# Altium PCB DeutschPCB.PcbDoc (part 1 of 2)
Units mil, origin at the board's own origin, x right, y up, seen from the top; angles counter-clockwise.
Board outline 3250 x 3925 mil, 2 copper layers (Top Layer, Bottom Layer), stack 61.8 mil thick; 164 components, 107 nets, 479 pads, 125 vias.
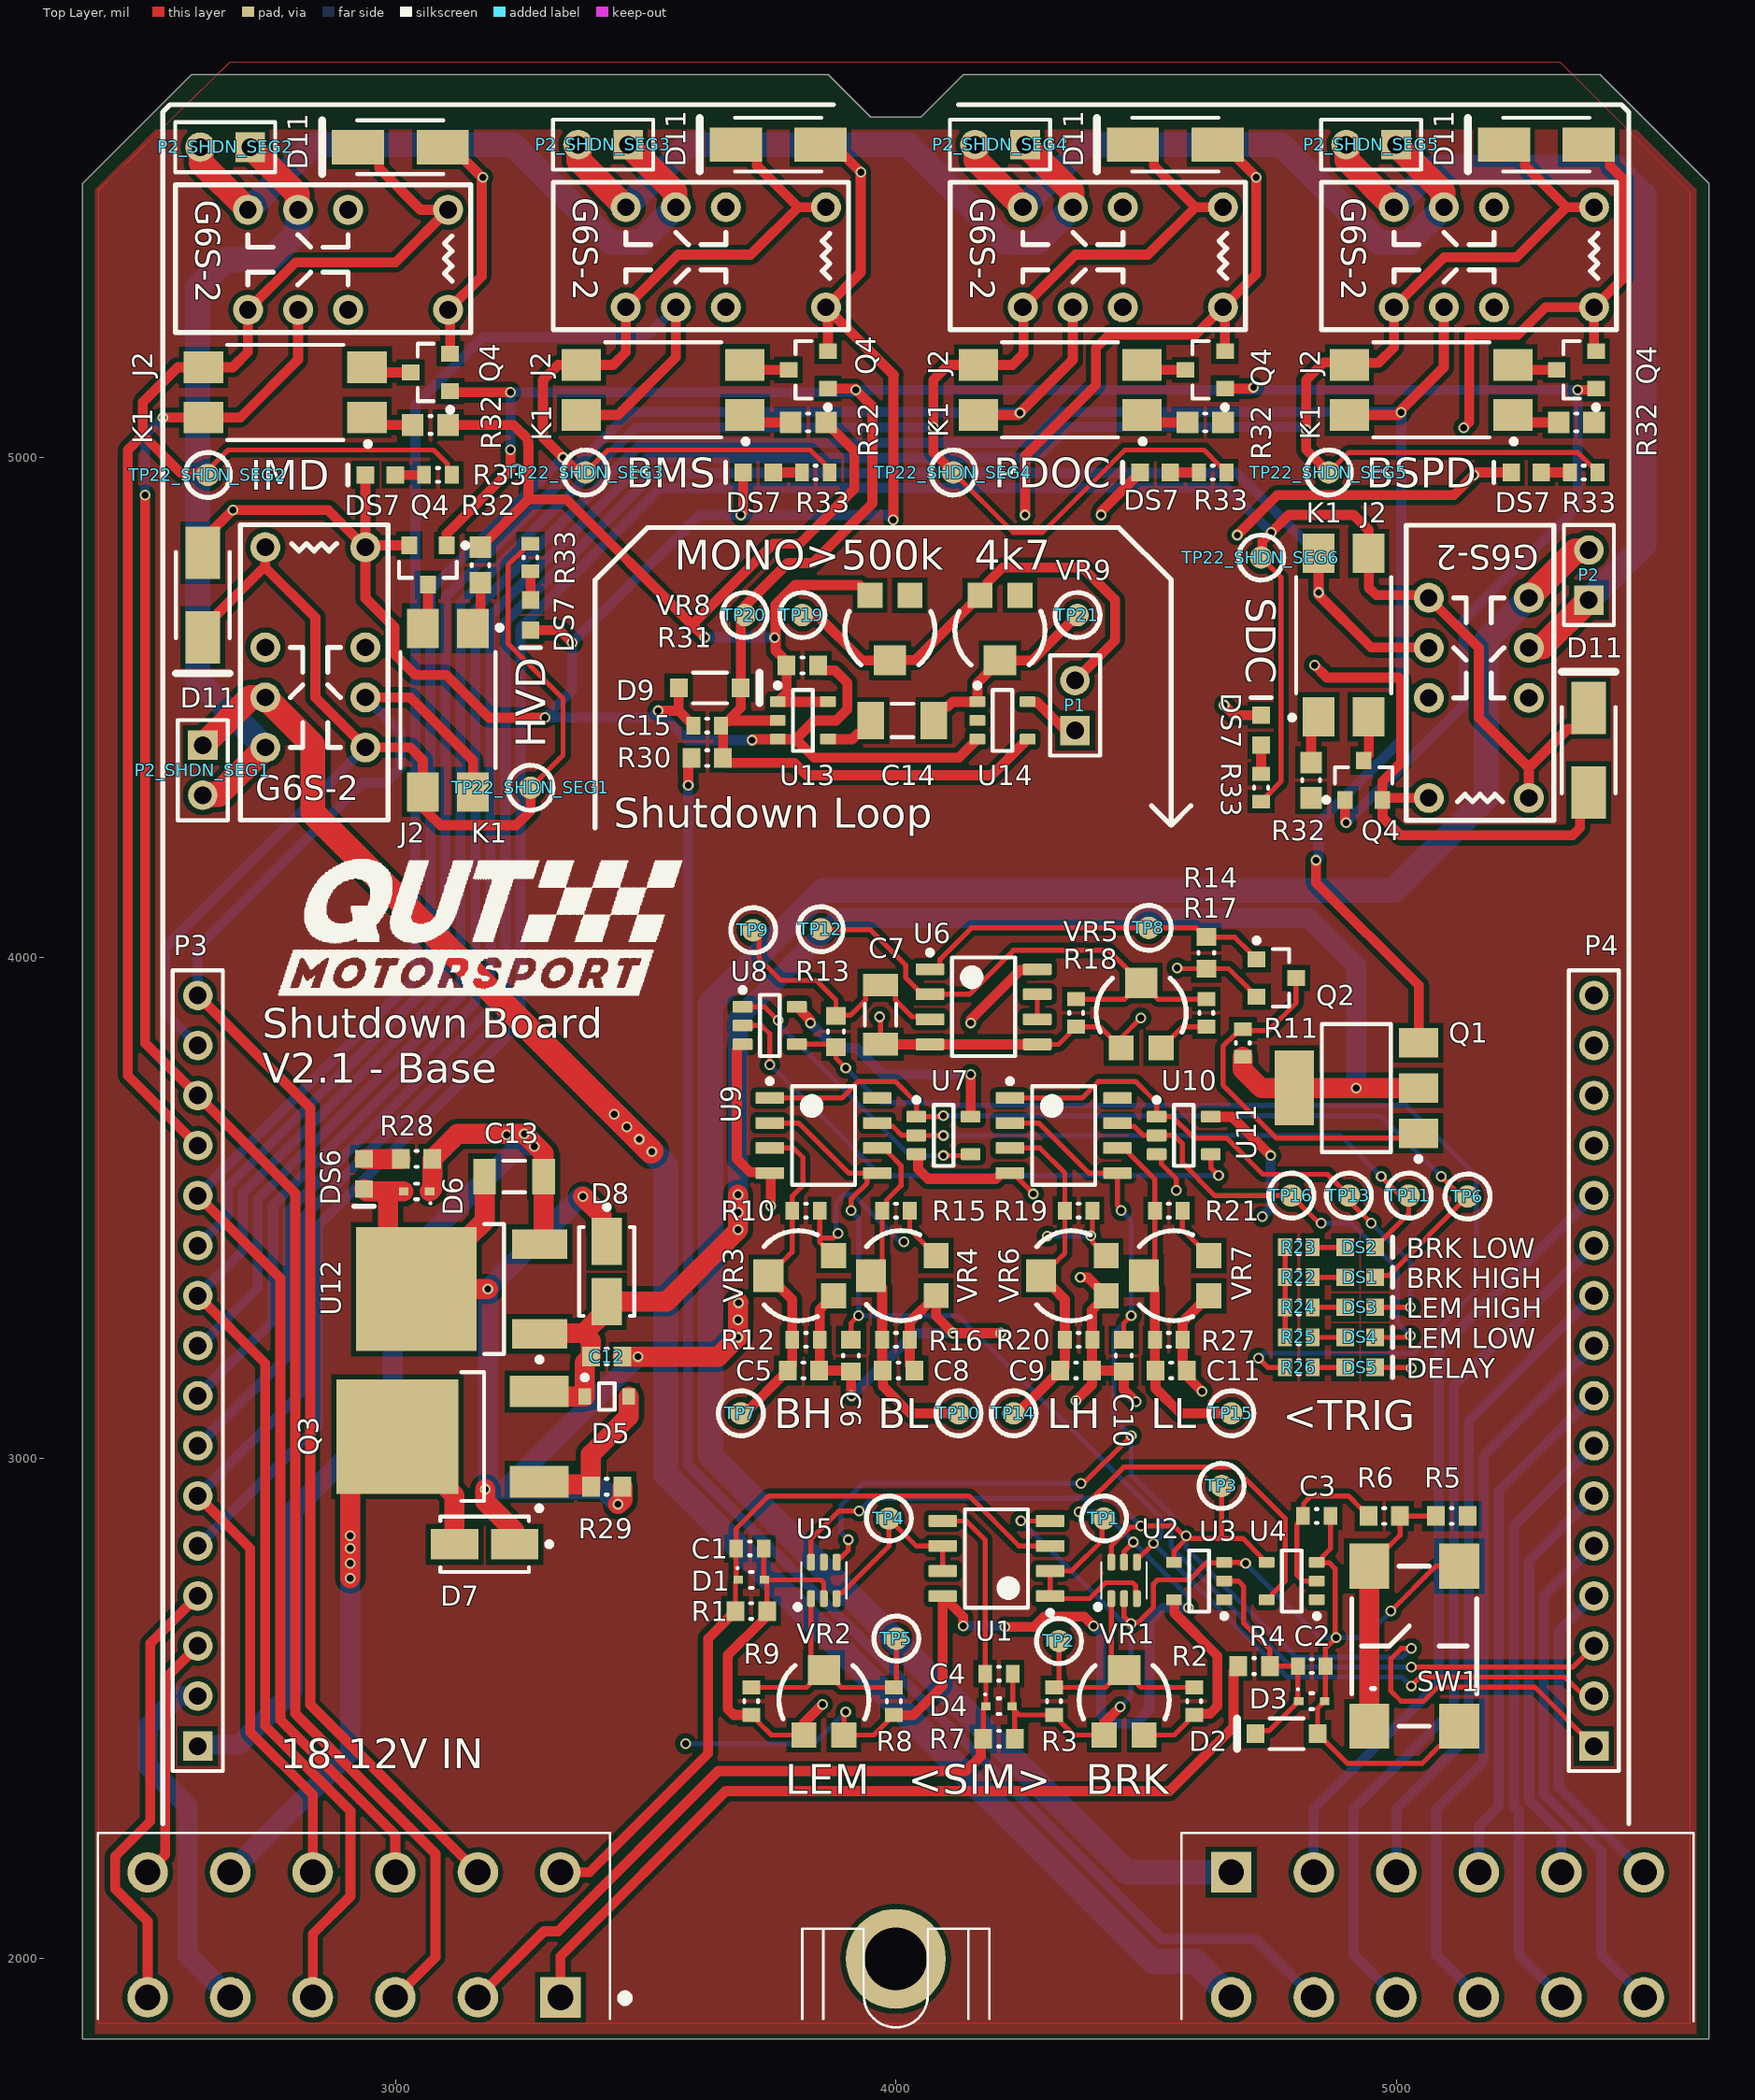
[diagram p0: Top Layer view]
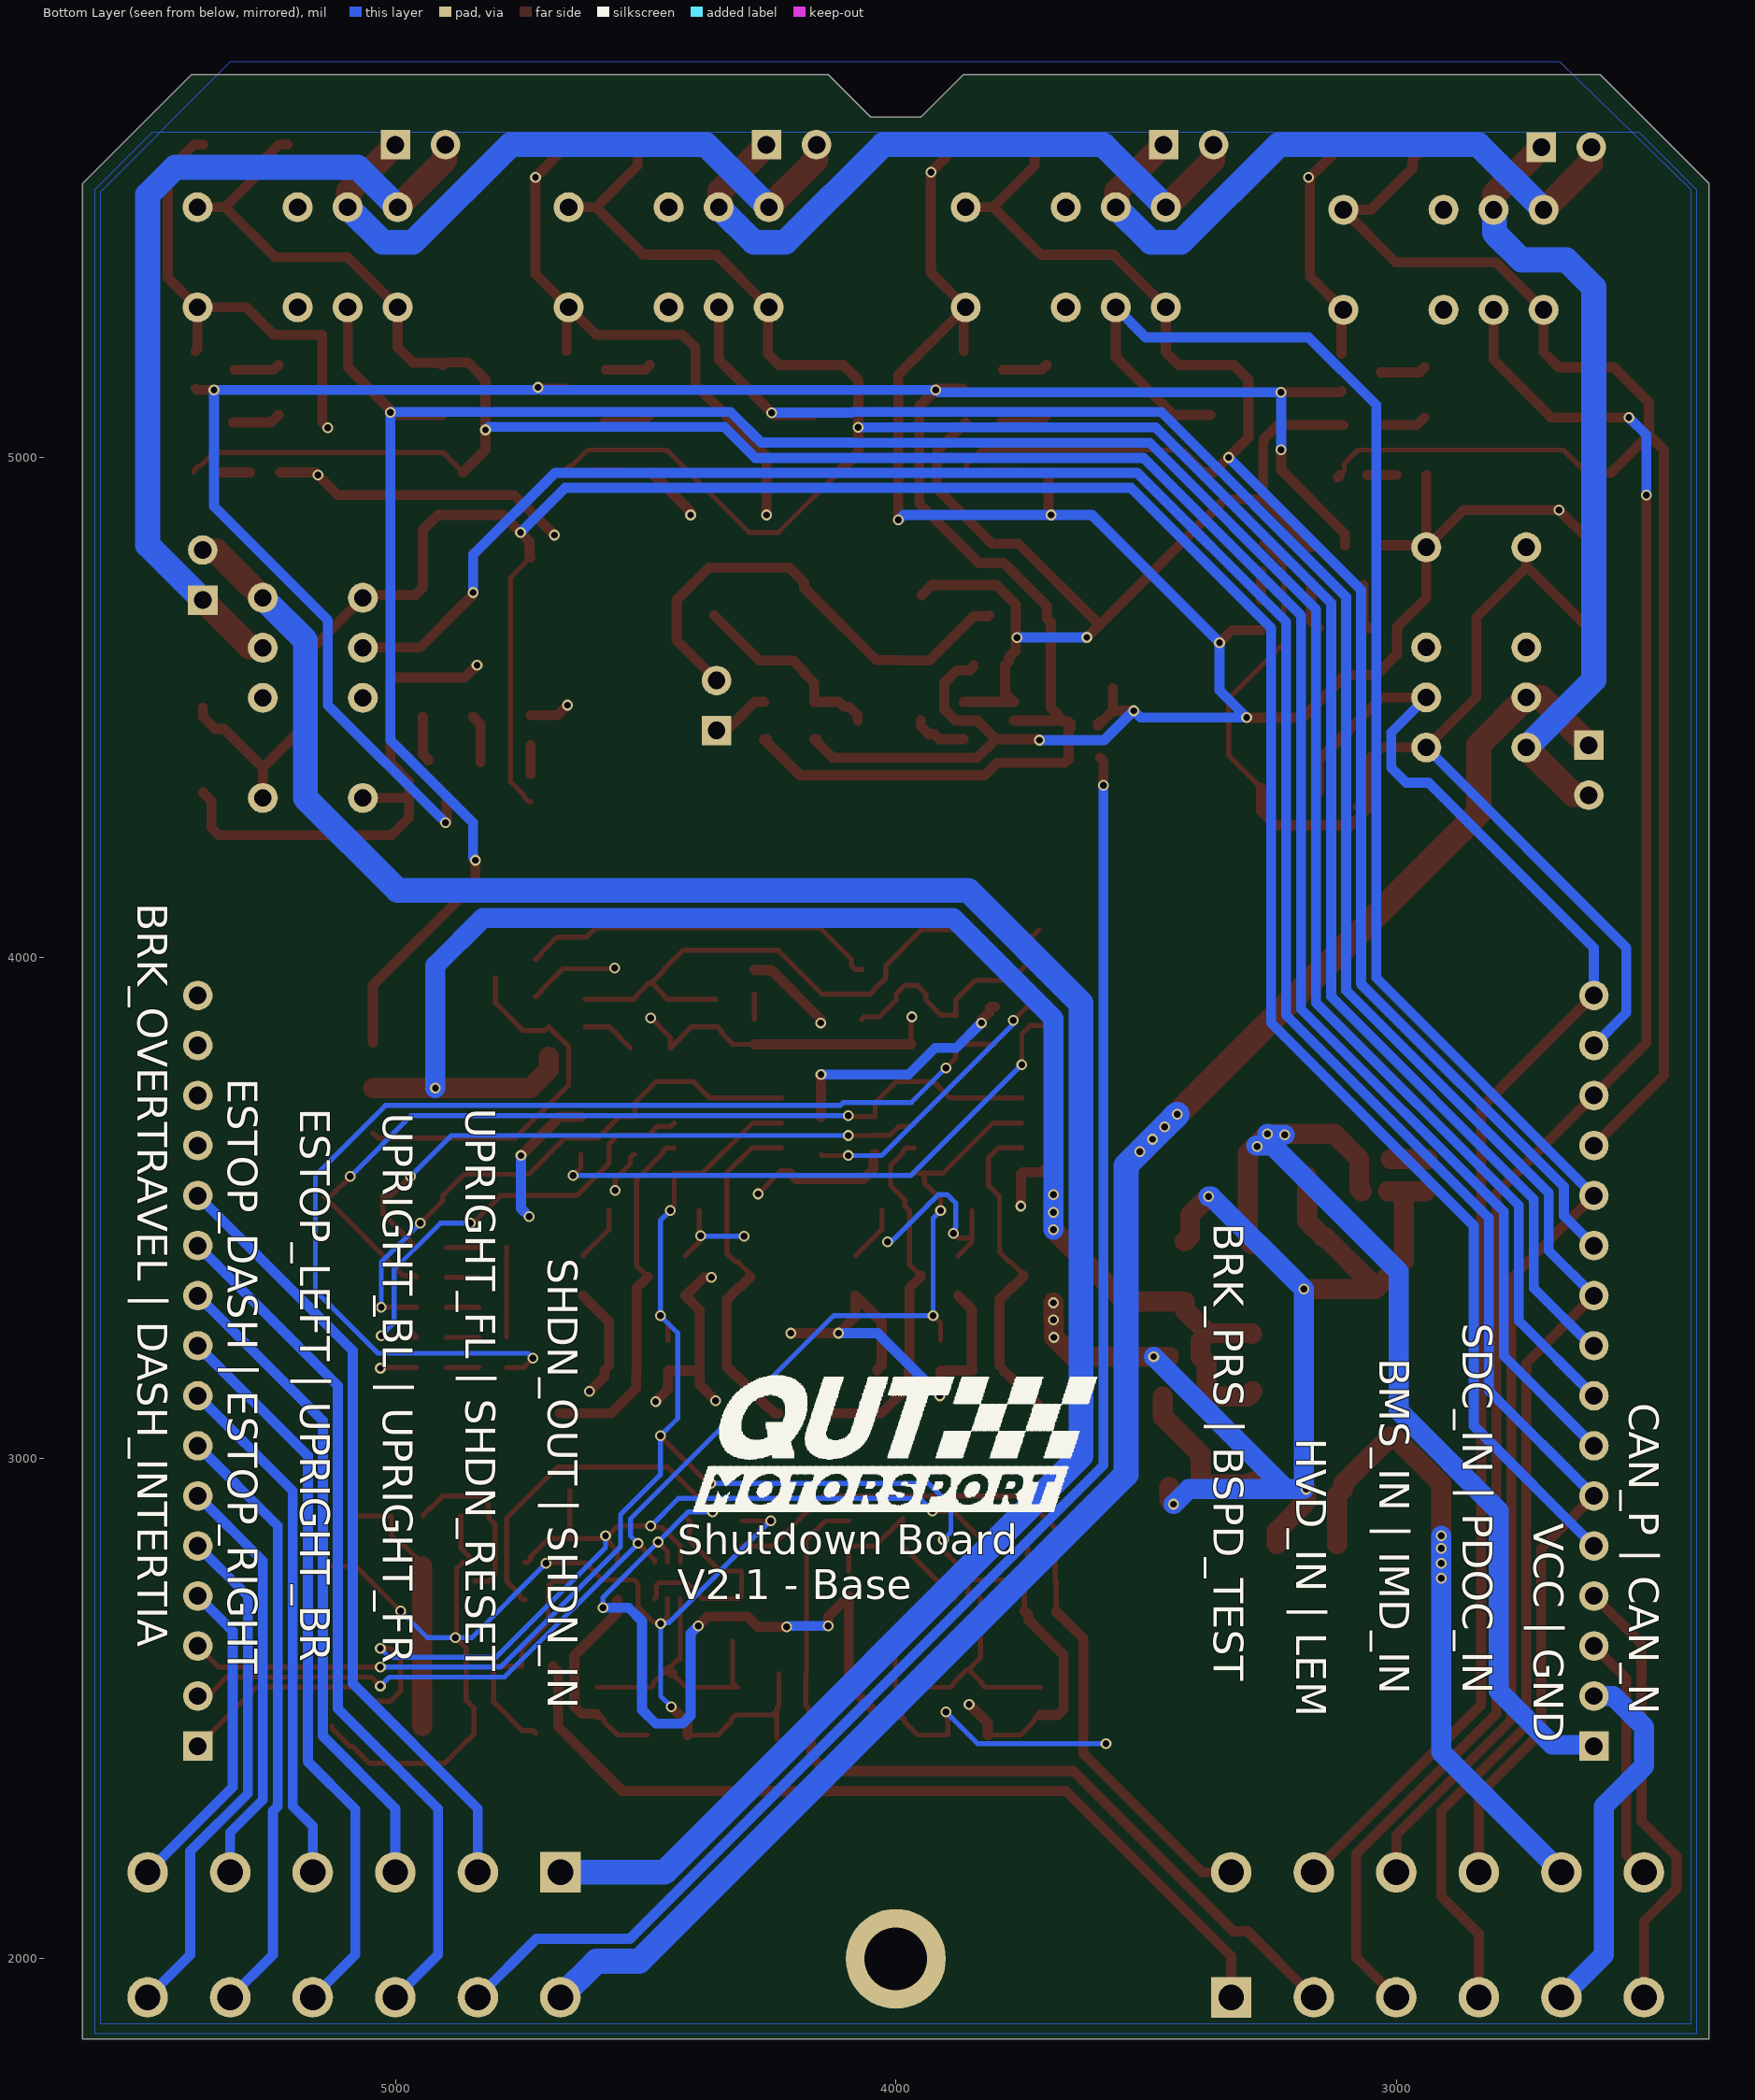
[diagram p1: Bottom Layer view, seen from below]

## Layer stack, top to bottom
Top Solder: solder mask 0.4, Solder Resist, Dk 3.5
Top Layer: signal copper 1.4
Dielectric 1: core 59, Core-043, Dk 4.3
Bottom Layer: signal copper 1.4
Bottom Solder: solder mask 0.4, Solder Resist, Dk 3.5

## Board outline
2375,1840 2375,5547.52 2592.48,5765 3865,5765 3950,5680 4050,5680 4135,5765 5407.52,5765 5625,5547.52 5625,1840

## Design rules (kind name [scope] priority, off if disabled: settings)
Clearance [All] p1: gap=10 ignorepadtopadclearanceinfootprint=FALSE except(0: Arc-Hole Track-Hole SMDPad-Hole THPad-Hole Via-Hole Fill-Hole Poly-Hole Region-Hole Text-Hole; 6: SMDPad-SMDPad)
PolygonConnect [All] p1: connectstyle=Direct reliefconductorwidth=10 reliefentries=4 polygonreliefangle="90 Angle" airgapwidth=10
RoomDefinition BSPD_System [InComponentClass('BSPD_System')] p1: confinementstyle=ConfineIn formatcopy=TRUE lockcomponents=FALSE outline 3625.43,3020 5215,3020 5215,4126.69 3625.43,4126.69
RoomDefinition BSPD_Simulation [InComponentClass('BSPD_Simulation')] p2: confinementstyle=ConfineIn formatcopy=TRUE lockcomponents=FALSE outline 3648.58,2403.54 5178.58,2403.54 5178.58,2998.54 3648.58,2998.54
RoomDefinition SHDN_LOOP [InComponentClass('SHDN_LOOP')] p3: confinementstyle=ConfineIn formatcopy=TRUE lockcomponents=FALSE outline 3539.76,4364.37 4418.27,4364.37 4418.27,4754.37 3539.76,4754.37
RoomDefinition PWR [InComponentClass('PWR')] p4: confinementstyle=ConfineIn formatcopy=TRUE lockcomponents=FALSE outline 3519.76,2758.29 3519.76,3688.29 2871.14,3688.29 2871.14,2758.29
RoomDefinition SHDN_SEG5 [InComponentClass('SHDN_SEG5')] p5: confinementstyle=ConfineIn formatcopy=TRUE lockcomponents=FALSE outline 4812.28,4910 5450,4910 5450,5690 4812.28,5690
RoomDefinition SHDN_SEG4 [InComponentClass('SHDN_SEG4')] p6: confinementstyle=ConfineIn formatcopy=TRUE lockcomponents=FALSE outline 4060,4910 4708.39,4910 4708.39,5690 4060,5690
RoomDefinition SHDN_SEG3 [InComponentClass('SHDN_SEG3')] p7: confinementstyle=ConfineIn formatcopy=TRUE lockcomponents=FALSE outline 3305,4910 3915,4910 3915,5690 3305,5690
RoomDefinition SHDN_SEG2 [InComponentClass('SHDN_SEG2')] p8: confinementstyle=ConfineIn formatcopy=TRUE lockcomponents=FALSE outline 2550,4905 3160,4905 3160,5685 2550,5685
RoomDefinition SHDN_SEG1 [InComponentClass('SHDN_SEG1')] p9: confinementstyle=ConfineIn formatcopy=TRUE lockcomponents=FALSE outline 3330,4265 3330,4875 2550,4875 2550,4265
RoomDefinition SHDN_SEG6 [InComponentClass('SHDN_SEG6')] p10: confinementstyle=ConfineIn formatcopy=TRUE lockcomponents=FALSE outline 4670,4874.57 4670,4264.57 5450,4264.57 5450,4874.57
RoutingVias [All] p1: holewidth=13.78 width=21.65 viastyle="Through Hole" minholewidth=13.78 minwidth=21.65 maxholewidth=13.78 maxwidth=21.65
SolderMaskExpansion [All] p1: expansion=4
Width "Schematic Width Constraint_1" [InNetClass('SHDN_OUT[1..6]')] p1: maxlimit=50 minlimit=50 preferedwidth=50 minimp=50.000000 maximp=50.000000 favimp=50.000000
Width "Schematic Width Constraint" [InNetClass('SHDN_IN[1..6]')] p2: maxlimit=50 minlimit=50 preferedwidth=50 minimp=50.000000 maximp=50.000000 favimp=50.000000
Width [All] p3: maxlimit=40 minlimit=10 preferedwidth=20 minimp=50.000000 maximp=50.000000 favimp=50.000000
30 further rules are at their usual default settings.

## Classes and differential pairs
component class SHDN_SEG6: D11 DS7 J2 K1 P2 Q4 R32 R33 TP22_SHDN_SEG6
component class Master: P3 P4
component class PWR: C12 C13 D5 D6 D7 D8 DS6 Q3 R28 R29 U12
channel class ShutdownSegement: SHDN_SEG1 SHDN_SEG2 SHDN_SEG3 SHDN_SEG4 SHDN_SEG5
net class STATE_TRIGGER[1..6]: STATE_TRIGGER1 STATE_TRIGGER2 STATE_TRIGGER3 STATE_TRIGGER4 STATE_TRIGGER5 STATE_TRIGGER6
net class STATE_SENSE[1..6]: STATE_SENSE1 STATE_SENSE2 STATE_SENSE3 STATE_SENSE4 STATE_SENSE5 STATE_SENSE6
net class SHDN_OUT[1..6]: SHDN_OUT6
net class SHDN_IN[1..6]: SHDN_IN1 SHDN_IN2 SHDN_IN3 SHDN_IN4 SHDN_IN5 SHDN_IN6
component class SHDN_SEG5: D11 DS7 J2 K1 P2_SHDN_SEG5 Q4 R32 R33 TP22_SHDN_SEG5
component class SHDN_SEG4: D11 DS7 J2 K1 P2_SHDN_SEG4 Q4 R32 R33 TP22_SHDN_SEG4
component class SHDN_SEG3: D11 DS7 J2 K1 P2_SHDN_SEG3 Q4 R32 R33 TP22_SHDN_SEG3
component class SHDN_SEG2: D11 DS7 J2 K1 P2_SHDN_SEG2 Q4 R32 R33 TP22_SHDN_SEG2
component class SHDN_SEG1: D11 DS7 J2 K1 P2_SHDN_SEG1 Q4 R32 R33 TP22_SHDN_SEG1
component class SHDN_LOOP: C14 C15 D9 P1 R30 R31 TP19 TP20 TP21 U13 U14 VR8 VR9
component class BSPD_System: C5 C6 C7 C8 C9 C10 C11 DS1 DS2 DS3 DS4 DS5 Q1 Q2 R10 R11 R12 R13 R14 R15 R16 R17 R18 R19 R20 R21 R22 R23 R24 R25 R26 R27 TP6 TP7 TP8 TP9 TP10 TP11 TP12 TP13 TP14 TP15 TP16 U6 U7 U8 U9 U10 U11 VR3 VR4 VR5 VR6 VR7
component class BSPD_Simulation: C1 C2 C3 C4 D1 D2 D3 D4 R1 R2 R4 R5 R6 R7 R8 R9 R33 SW1 TP1 TP2 TP3 TP4 TP5 U1 U2 U3 U4 U5 VR1 VR2

## Components (designator, comment, footprint, x,y, rotation, side; value= is the part's Value field where it differs from the comment)
C1 "CAP 100nF 50V 0603(1608)" CAPC0603(1608)100_L 3708.58,2819.76 r0 top value=100nF
C2 "CAP 100nF 50V" CAPC0603(1608)100_L 4831.14,2584.76 r0 top value=100nF
C3 "CAP 100nF 50V 0603(1608)" CAPC0603(1608)100_L 4841.14,2884.76 r0 top value=100nF
C4 "CAP 100nF 50V 0603(1608)" CAPC0603(1608)100_L 4206.14,2569.76 r0 top value=100nF
C5 "CAP 100nF 50V 0603(1608)" CAPC0603(1608)100_N 3815.43,3175.57 r0 top value=100nF
C6 "CAP 100nF 50V 0603(1608)" CAPC0603(1608)100_N 3910.43,3205.1 r270 top value=100nF
C7 "CAP 10uF 50V 1206(3216)" CAPC1206(3216)190_N 3969.53,3886.5 r90 top value=10uF
C8 "CAP 100nF 50V 0603(1608)" CAPC0603(1608)100_N 4005.43,3175.57 r0 top value=100nF
C9 "CAP 100nF 50V 0603(1608)" CAPC0603(1608)100_N 4360.43,3175.57 r0 top value=100nF
C10 "CAP 100nF 50V 0603(1608)" CAPC0603(1608)100_N 4455.43,3205.1 r270 top value=100nF
C11 "CAP 100nF 50V 0603(1608)" CAPC0603(1608)100_N 4550.43,3175.57 r0 top value=100nF
C12 "CAP 100nF 50V 0603(1608)" CAPC0603(1608)100_N 3422.4,3203.29 r180 top value=100nF
C13 "CAP 10uF 50V 1206(3216)" CAPC1206(3216)190_N 3237.4,3563.29 r0 top value=10uF
C14 "CAP 10uF 50V 1206(3216)" CAPC1206(3216)190_M 4013.27,4474.37 r180 top value=10uF
C15 "CAP 100nF 50V" CAPC0603(1608)100_L 3623.27,4464.37 r180 top value=100nF
D1 "ESD5Z5.0T1G" ONSC-SOD-523-2-502-01_V 3711.34,2757.16 r0 top
D2 "BZT52C5V1-7-F" DIOD-SOD123_V 4781.14,2449.76 r180 top
D3 "ESD5Z5.0T1G" ONSC-SOD-523-2-502-01_V 4831.14,2514.76 r0 top
D4 "ESD5Z5.0T1G" ONSC-SOD-523-2-502-01_V 4206.14,2504.76 r0 top
D5 "MM3Z10VT1G" ONSC-SOD-323-2-477-02_V 3422.4,3123.44 r0 top
D6 "ESD5Z5.0T1G" ONSC-SOD-523-2-502-01_V 3042.4,3533.29 r180 top
D7 "SMAJ18CA-E3/61" VISH-DO-214AC-2_N 3178.34,2828.29 r180 top
D8 "SMAJ18CA-E3/61" VISH-DO-214AC-2_N 3422.4,3373.29 r270 top
D9 "BZT52C5V1-7-F" DIOD-SOD123_V 3628.27,4539.37 r0 top
D11 "S1M" FAIR-DO-214AC-2_V 5384.65,4415 r90 top
D11 "S1M" FAIR-DO-214AC-2_V 5300,5625 r180 top
D11 "S1M" FAIR-DO-214AC-2_V 4558.39,5625 r180 top
D11 "S1M" FAIR-DO-214AC-2_V 3765,5625 r180 top
D11 "S1M" FAIR-DO-214AC-2_V 3010,5620 r180 top
D11 "S1M" FAIR-DO-214AC-2_V 2615,4725 r270 top
DS1 "LED Red 0603" "LED RED 0603" 4927.99,3361.73 r0 top
DS2 "LED Red 0603" "LED RED 0603" 4927.95,3421.69 r0 top
DS3 "LED Red 0603" "LED RED 0603" 4927.99,3301.69 r0 top
DS4 "LED Red 0603" "LED RED 0603" 4927.99,3241.69 r0 top
DS5 "LED Red 0603" "LED RED 0603" 4927.99,3181.69 r0 top
DS6 "LED Green 0603" "LED GREEN 0603" 2937.4,3568.29 r270 top
DS7 "LED Orange 0603" "LED ORANGE 0603" 4730,4455 r90 top
DS7 "LED Orange 0603" "LED ORANGE 0603" 5260,4970 r180 top
DS7 "LED Orange 0603" "LED ORANGE 0603" 4518.39,4970 r180 top
DS7 "LED Orange 0603" "LED ORANGE 0603" 3725,4970 r180 top
DS7 "LED Orange 0603" "LED ORANGE 0603" 2970,4965 r180 top
DS7 "LED Orange 0603" "LED ORANGE 0603" 3270,4685 r270 top
J2 "G6S-2-DC12" G6S-2 5165,4569.57 r90 top
J2 "G6S-2-DC12" G6S-2 5145.43,5400 r180 top
J2 "G6S-2-DC12" G6S-2 4403.82,5400 r180 top
J2 "G6S-2-DC12" G6S-2 3610.43,5400 r180 top
J2 "G6S-2-DC12" G6S-2 2855.43,5395 r180 top
J2 "G6S-2-DC12" G6S-2 2840,4570.43 r270 top
K1 "AQY212EHA" PNSC-DIP4(SMT)_V 4895,4645 r90 top
K1 "AQY212EHA" PNSC-DIP4(SMT)_V 5070,5135 r180 top
K1 "AQY212EHA" PNSC-DIP4(SMT)_V 4328.39,5135 r180 top
K1 "AQY212EHA" PNSC-DIP4(SMT)_V 3535,5135 r180 top
K1 "AQY212EHA" PNSC-DIP4(SMT)_V 2780,5130 r180 top
K1 "AQY212EHA" PNSC-DIP4(SMT)_V 3105,4495 r270 top
P1 "Header 2" HDR1X2 4358.27,4454.37 r90 top
P2 "Header 2" HDR1X2 5385,4715 r90 top
P2_SHDN_SEG1 "Header 2" HDR1X2 2615,4425 r270 top (schematic designator P2)
P2_SHDN_SEG2 "Header 2" HDR1X2 2710,5620 r180 top (schematic designator P2)
P2_SHDN_SEG3 "Header 2" HDR1X2 3465,5625 r180 top (schematic designator P2)
P2_SHDN_SEG4 "Header 2" HDR1X2 4258.39,5625 r180 top (schematic designator P2)
P2_SHDN_SEG5 "Header 2" HDR1X2 5000,5625 r180 top (schematic designator P2)
P3 "Header 16" HDR1X16 2605,2425 r90 top
P4 "Header 16" HDR1X16 5395,2425 r90 top
Q1 "NTF2955T1G" ONSC-SOT-223-4-318E-04_V 4920.43,3740 r180 top
Q2 "NVR5198NLT1G" ONSC-SOT-23-3-318-08_V 4760.43,3960 r0 top
Q3 "STD35P6LLF6" ONSC-DPAK-3-369C-01_V 3114.17,3043.44 r180 top
Q4 "NVR5198NLT1G" ONSC-SOT-23-3-318-08_V 4935,4355 r90 top
Q4 "NVR5198NLT1G" ONSC-SOT-23-3-318-08_V 5360,5175 r180 top
Q4 "NVR5198NLT1G" ONSC-SOT-23-3-318-08_V 4618.39,5175 r180 top
Q4 "NVR5198NLT1G" ONSC-SOT-23-3-318-08_V 3825,5175 r180 top
Q4 "NVR5198NLT1G" ONSC-SOT-23-3-318-08_V 3070,5170 r180 top
Q4 "NVR5198NLT1G" ONSC-SOT-23-3-318-08_V 3065,4785 r270 top
R1 "4K7 5% 0603(1608)" RESC0603(1608)_N 3711.14,2694.76 r180 top value="4700.00 Ohm"
R2 "DNP" RESC0603(1608)_L 4596.14,2514.76 r270 top
R3 "DNP" RESC0603(1608)_L 4316.14,2514.76 r90 top
R4 "10K 5% 0603(1608)" RESC0603(1608)_N 4716.14,2584.76 r180 top value="10000.00 Ohm"
R5 "4K7 5% 0603(1608)" RESC0603(1608)_N 5111.14,2884.76 r0 top value="4700.00 Ohm"
R6 "4K7 5% 0603(1608)" RESC0603(1608)_N 4976.14,2884.76 r0 top value="4700.00 Ohm"
R7 "4K7 5% 0603(1608)" RESC0603(1608)_N 4206.14,2439.76 r180 top value="4700.00 Ohm"
R8 "DNP" RESC0603(1608)_L 3996.14,2514.76 r270 top
R9 "DNP" RESC0603(1608)_L 3711.14,2514.76 r90 top
R10 "DNP" RESC0603(1608)_L 3820.43,3495.1 r0 top
R11 "1K 5% 0603(1608)" RESC0603(1608)_L 4693.35,3830 r270 top value="1000.00 Ohm"
R12 "DNP" RESC0603(1608)_L 3820.43,3236.59 r180 top
R13 "68K 5% 0603(1608)" RESC0603(1608)_N 3880.43,3853.03 r90 top value="68000.00 Ohm"
R14 "4K7 5% 0603(1608)" RESC0603(1608)_N 4620.43,4010 r90 top value="4700.00 Ohm"
R15 "DNP" RESC0603(1608)_L 4000.43,3495.1 r0 top
R16 "DNP" RESC0603(1608)_L 4000.43,3236.59 r180 top
R17 "DNP" RESC0603(1608)_L 4620.43,3890 r270 top
R18 "DNP" RESC0603(1608)_L 4360.43,3890 r90 top
R19 "DNP" RESC0603(1608)_L 4365.43,3495.1 r0 top
R20 "DNP" RESC0603(1608)_L 4365.43,3236.59 r180 top
R21 "DNP" RESC0603(1608)_L 4545.43,3495.1 r0 top
R22 "1K 5% 0603(1608)" RESC0603(1608)_L 4805.43,3361.73 r180 top value="1000.00 Ohm"
R23 "1K 5% 0603(1608)" RESC0603(1608)_L 4805.39,3421.69 r180 top value="1000.00 Ohm"
R24 "1K 5% 0603(1608)" RESC0603(1608)_L 4805.43,3301.69 r180 top value="1000.00 Ohm"
R25 "1K 5% 0603(1608)" RESC0603(1608)_L 4805.43,3241.69 r180 top value="1000.00 Ohm"
R26 "1K 5% 0603(1608)" RESC0603(1608)_L 4805.43,3181.69 r180 top value="1000.00 Ohm"
R27 "DNP" RESC0603(1608)_L 4545.43,3236.59 r180 top
R28 "1K 5% 0603(1608)" RESC0603(1608)_N 3042.4,3598.29 r0 top value="1000.00 Ohm"
R29 "100K 5% 0603(1608)" RESC0603(1608)_N 3422.4,2943.29 r180 top value="100000.00 Ohm"
R30 "10K 5% 0603(1608)" RESC0603(1608)_N 3623.27,4399.37 r0 top value="10000.00 Ohm"
R31 "4K7 5% 0603(1608)" RESC0603(1608)_N 3813.27,4584.37 r180 top value="4700.00 Ohm"
R32 "2K7 5% 0603(1608)" RESC0603(1608)_M 4830,4355 r90 top value="2700.00 Ohm"
R32 "2K7 5% 0603(1608)" RESC0603(1608)_M 5360,5070 r180 top value="2700.00 Ohm"
R32 "2K7 5% 0603(1608)" RESC0603(1608)_M 4618.39,5070 r180 top value="2700.00 Ohm"
R32 "2K7 5% 0603(1608)" RESC0603(1608)_M 3825,5070 r180 top value="2700.00 Ohm"
R32 "2K7 5% 0603(1608)" RESC0603(1608)_M 3070,5065 r180 top value="2700.00 Ohm"
R32 "2K7 5% 0603(1608)" RESC0603(1608)_M 3170,4785 r270 top value="2700.00 Ohm"